# KiCad board combined.kicad_pcb (continued)
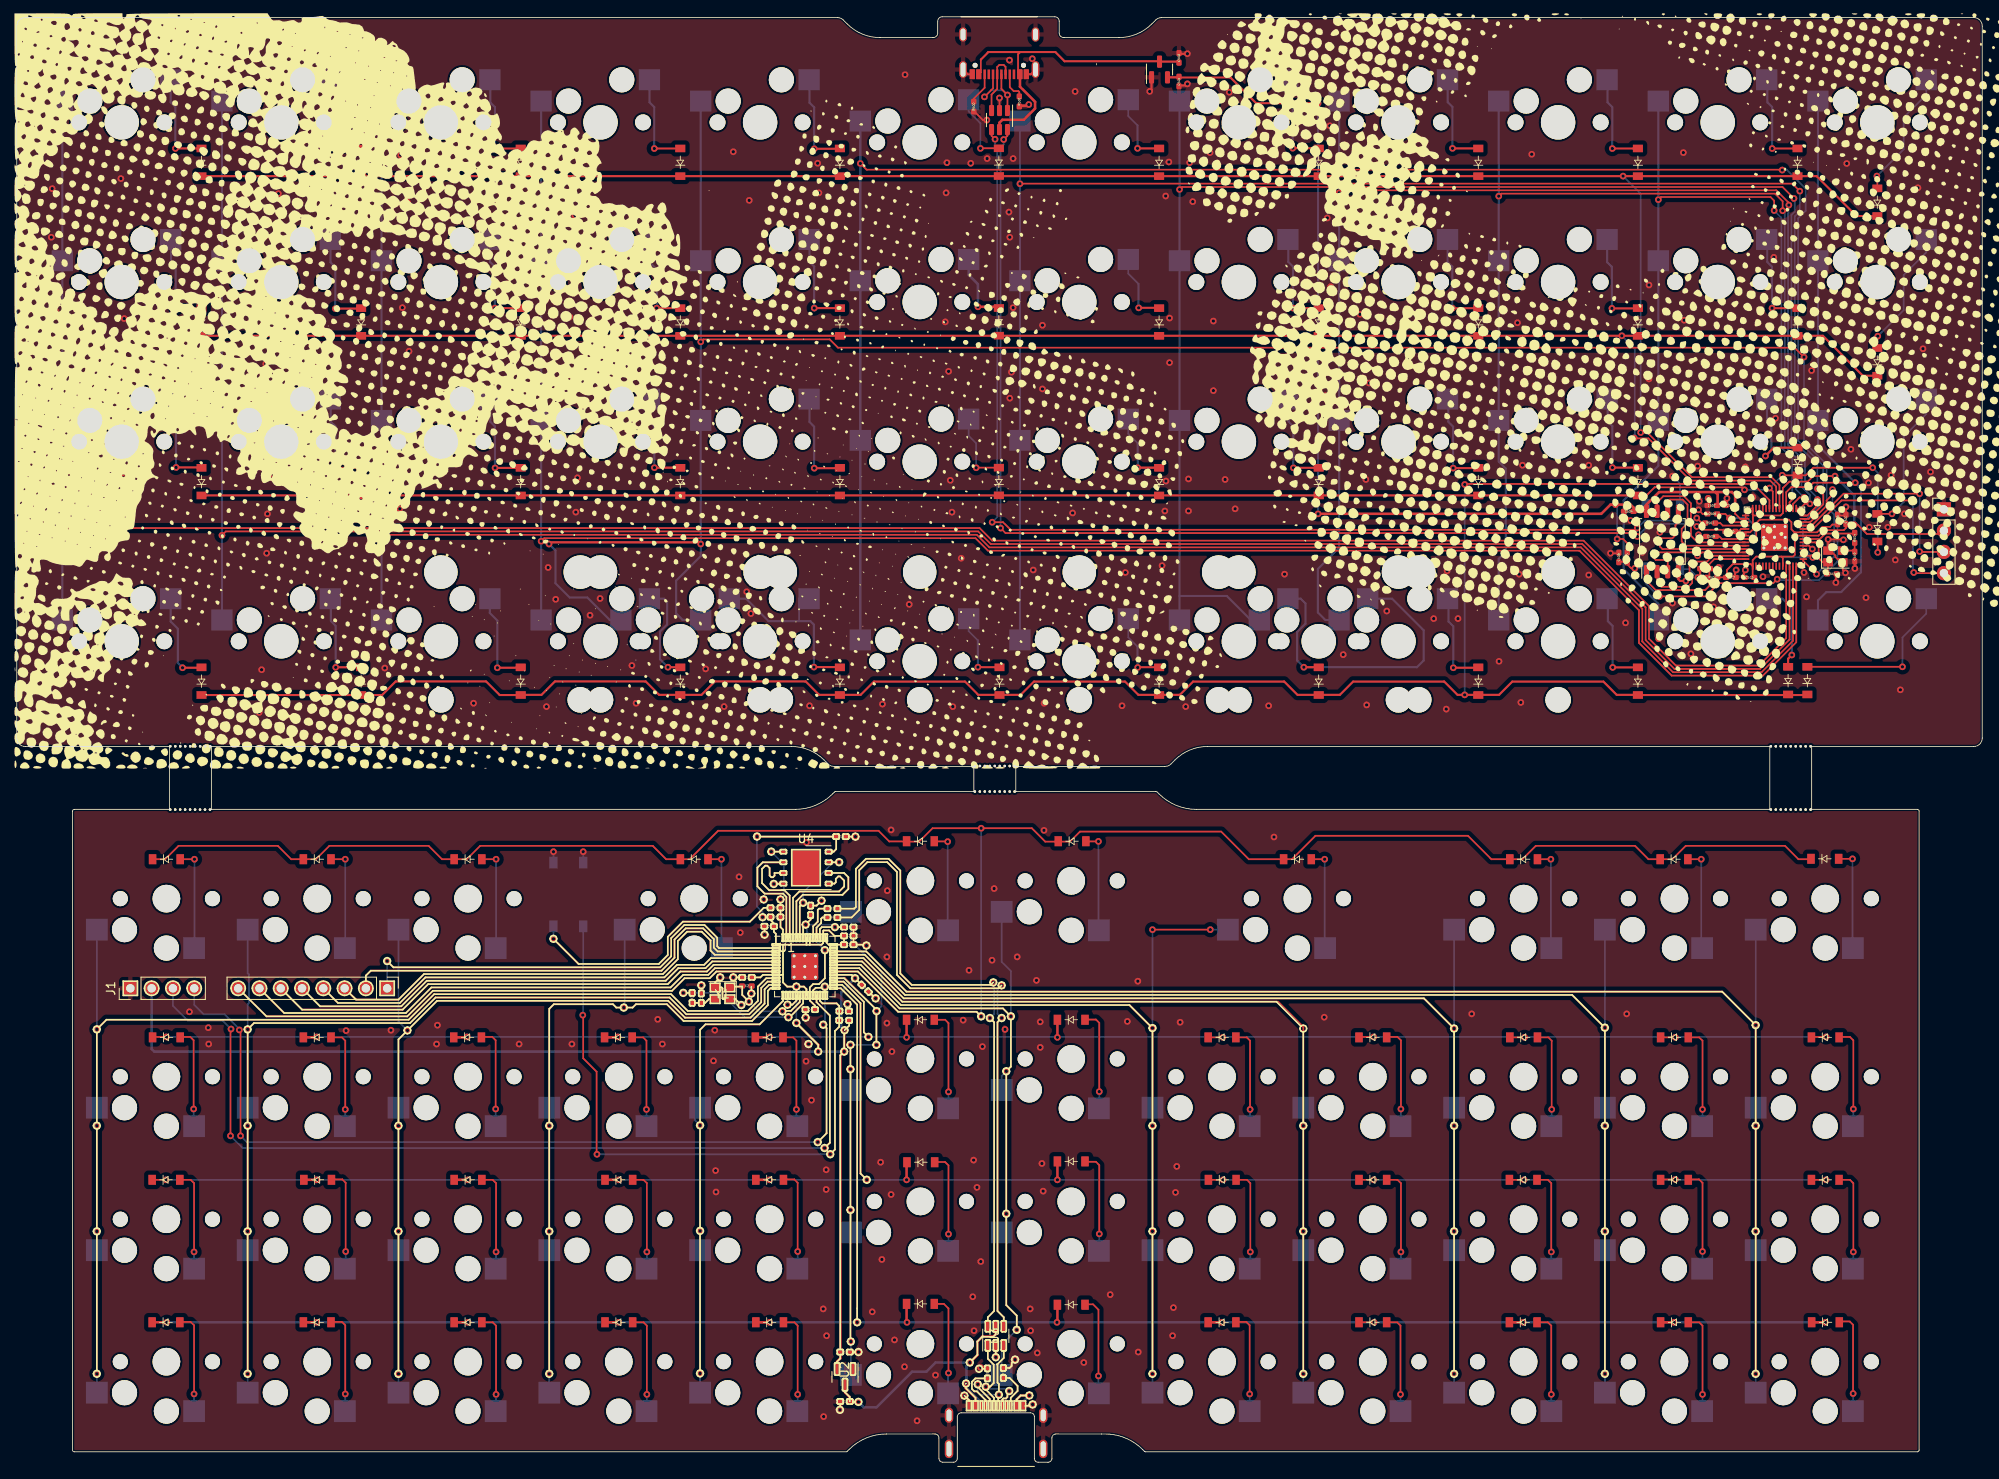
[diagram p0: board, top side]
## Routing (per net, layer and track width the routed paths; a pad name or vN(x,y) marks a point on that pad's centre or on a via; arc(x,y) is an arc through that point) (continued)
Net-(C1-Pad2): length 17.7
  Top w0.2: U1.20 93.46,54.91 92.4,53.85 91.45,53.85 v1(91.4,53.8) ; U503.20 214.67,109.76 215.08,109.35 215.08,107.87 215.57,107.38 Y500.1 216.17,107.35 216.17,106 ; Y1.1 85.21,56.75 86.59,56.75 86.59,55.76 87.39,54.96 v1(87.39,54.96)
  Bottom w0.2: v1(87.39,54.96) 88.56,53.8 v1(91.4,53.8)
Net-(C2-Pad2): length 5.4
  Top w0.2: Y500.3 219.37,108.78 219.38,108.78 219.38,109.79 ; Y1.3 82.61,55.25 82.16,54.8 C2.2 R2.1
Net-(C3-Pad1): length 122.6
  Top w0.2: 191.26,107.45 192.23,107.45 192.23,107.14 192.71,106.66 v1(193.13,106.66) ; v1(67.56,53.35) 67.61,53.3 67.61,48.2 69.21,46.6 69.21,36.79 v1(69.25,36.75) ; v1(97.1,36.75) 97.66,37.31 97.66,51.45 98.16,51.95 98.16,54.44 97.86,54.75 96.18,54.75 95.86,55.06 U1.26 ; U503.26 214.06,112.16 216.03,114.13 216.03,114.76 216.72,115.46 v1(216.72,116.06) ; v1(210.13,105.36) 209.65,104.88 203.15,104.88 201.58,103.31 v1(196.07,103.31)
  Bottom w0.2: v1(196.07,103.31) 195.98,103.31 194.43,104.86 SW551.2 v1(193.13,106.66) ; v1(216.72,116.06) 216.72,113.86 217.33,113.26 217.33,107.47 215.11,105.25 210.24,105.25 v1(210.13,105.36) ; SW20.2 67.61,53.4 v1(67.56,53.35) ; v1(97.1,36.75) 95.97,36.75 95.96,36.75 v1(69.25,36.75)
Net-(D1-Pad2): length 23.6
  Top w0.2: v1(219.19,8.2) 219.19,16.4 218.79,16.8 217.54,16.8
  Top w0.25: v1(18.94,156.75) D500.2
  Bottom w0.2: v1(219.19,8.2) 219.19,6.15
  Bottom w0.25: SW500.2 18.37,162.27 18.93,161.7 18.93,156.76 v1(18.94,156.75)
Net-(D2-Pad2): length 23.6
  Top w0.2: 217.56,33.7 218.81,33.7 219.21,33.3 v1(219.21,25.1)
  Top w0.25: v1(18.99,137.69) 22.1,137.69
  Bottom w0.2: v1(219.21,25.1) 219.21,23.05
  Bottom w0.25: 18.42,145.88 18.42,143.2 18.98,142.64 18.98,137.7 v1(18.99,137.69)
Net-(D3-Pad2): length 23.6
  Top w0.2: 217.56,50.75 218.81,50.75 219.21,50.35 v1(219.21,42.15)
  Top w0.25: v1(19.02,118.7) 22.13,118.7
  Bottom w0.2: v1(219.21,42.15) 219.21,40.1
  Bottom w0.25: v1(19.02,118.7) 19.01,118.71 19.01,123.65 18.45,124.21 18.45,126.89
Net-(D4-Pad2): length 23.3
  Top w0.2: v1(219.11,72) D4.2
  Top w0.25: v1(19.79,94.8) 22.05,94.8
  Bottom w0.2: 219.11,61.4 v1(219.11,72)
  Bottom w0.25: v1(19.79,94.8) 19.23,95.36 19.23,99.45 18.37,100.31 18.37,102.99
Net-(D5-Pad2): length 23.6
  Top w0.2: 199.56,16.7 200.81,16.7 201.21,16.3 v1(201.21,8.1)
  Top w0.25: v1(38.05,156.77) 41.16,156.77
  Bottom w0.2: v1(201.21,8.1) 201.21,6.05
  Bottom w0.25: v1(38.05,156.77) 38.04,156.78 38.04,161.72 37.48,162.28 37.48,164.96
Net-(D6-Pad2): length 23.6
  Top w0.2: 199.56,33.75 200.81,33.75 201.21,33.35 v1(201.21,25.15)
  Top w0.25: v1(38.03,137.65) 41.14,137.65
  Bottom w0.2: v1(201.21,25.15) 201.21,23.1
  Bottom w0.25: 37.46,145.84 37.46,143.16 38.02,142.6 38.02,137.66 v1(38.03,137.65)
Net-(D7-Pad2): length 23.6
  Top w0.2: 199.56,50.7 200.81,50.7 201.21,50.3 v1(201.21,42.1)
  Top w0.25: v1(38.05,118.64) 41.16,118.64
  Bottom w0.2: v1(201.21,42.1) 201.21,40.05
  Bottom w0.25: 37.48,126.83 37.48,124.15 38.04,123.59 38.04,118.65 v1(38.05,118.64)
Net-(D8-Pad2): length 23.8
  Top w0.2: v1(201.06,71.95) 199.41,71.95
  Top w0.25: v1(38.07,94.85) 41.18,94.85
  Bottom w0.2: 201.06,61.35 v1(201.06,71.95)
  Bottom w0.25: v1(38.07,94.85) 38.06,94.86 38.06,99.8 37.5,100.36 37.5,103.04
Net-(D9-Pad2): length 23.6
  Top w0.2: v1(183.11,71.95) 181.46,71.95
  Top w0.25: v1(57.36,94.8) 60.15,94.8
  Bottom w0.2: 183.11,61.35 v1(183.11,71.95)
  Bottom w0.25: v1(57.36,94.8) 57.36,100.42 56.47,101.32 56.47,102.99
Net-(D10-Pad2): length 23.6
  Top w0.2: 181.51,16.7 182.76,16.7 183.16,16.3 v1(183.16,8.1)
  Top w0.25: v1(57.09,156.75) 60.2,156.75
  Bottom w0.2: v1(183.16,8.1) 183.16,6.05
  Bottom w0.25: v1(57.09,156.75) 57.08,156.76 57.08,161.7 56.52,162.26 56.52,164.94
Net-(D11-Pad2): length 23.6
  Top w0.2: 181.51,33.7 182.76,33.7 183.16,33.3 v1(183.16,25.1)
  Top w0.25: v1(57.06,137.71) 60.17,137.71
  Bottom w0.2: v1(183.16,25.1) 183.16,23.05
  Bottom w0.25: v1(57.06,137.71) 57.05,137.72 57.05,142.66 56.49,143.22 56.49,145.9
Net-(D12-Pad2): length 23.6
  Top w0.2: 181.56,50.7 182.81,50.7 183.21,50.3 v1(183.21,42.1)
  Top w0.25: v1(57.09,118.64) 60.2,118.64
  Bottom w0.2: v1(183.21,42.1) 183.21,40.05
  Bottom w0.25: v1(57.09,118.64) 57.08,118.65 57.08,123.59 56.52,124.15 56.52,126.83
Net-(D13-Pad2): length 23.6
  Top w0.2: v1(165.16,8.1) 165.16,16.3 164.76,16.7 D13.2
  Top w0.25: v1(76.1,156.75) 79.21,156.75
  Bottom w0.2: v1(165.16,8.1) 165.16,6.05
  Bottom w0.25: 75.53,164.94 75.53,162.26 76.09,161.7 76.09,156.76 v1(76.1,156.75)
Net-(D14-Pad2): length 23.5
  Top w0.2: 163.56,33.7 164.81,33.7 165.21,33.3 v1(165.21,25.1)
  Top w0.25: v1(76.38,137.71) 79.18,137.71
  Bottom w0.2: v1(165.21,25.1) 165.21,23.05
  Bottom w0.25: v1(76.38,137.71) 76.43,137.75 76.43,142.29 75.5,143.22 75.5,145.9
Net-(D15-Pad2): length 23.6
  Top w0.2: v1(165.21,42.15) 165.21,50.35 164.81,50.75 163.56,50.75
  Top w0.25: v1(76.11,118.67) 79.22,118.67
  Bottom w0.2: v1(165.21,42.15) 165.21,40.1
  Bottom w0.25: v1(76.11,118.67) 76.1,118.68 76.1,123.62 75.54,124.18 75.54,126.86
Net-(D16-Pad2): length 23.6
  Top w0.2: v1(147.16,8.15) 147.16,16.35 146.76,16.75 145.51,16.75
  Top w0.25: v1(95.19,156.72) 98.3,156.72
  Bottom w0.2: v1(147.16,8.15) SW16.2
  Bottom w0.25: v1(95.19,156.72) 95.18,156.73 95.18,161.67 94.62,162.23 94.62,164.91
Net-(D17-Pad2): length 23.6
  Top w0.2: 145.59,33.7 146.84,33.7 147.24,33.3 v1(147.24,25.1)
  Top w0.25: v1(95.19,137.71) 98.3,137.71
  Bottom w0.2: v1(147.24,25.1) 147.24,23.05
  Bottom w0.25: v1(95.19,137.71) 95.18,137.72 95.18,142.66 94.62,143.22 94.62,145.9
Net-(D18-Pad2): length 23.6
  Top w0.2: v1(147.21,42.1) 147.21,50.3 146.81,50.7 145.56,50.7
  Top w0.25: v1(95.19,118.61) 98.3,118.61
  Bottom w0.2: v1(147.21,42.1) 147.21,40.05
  Bottom w0.25: v1(95.19,118.61) 95.18,118.62 95.18,123.56 94.62,124.12 94.62,126.8
Net-(D19-Pad2): length 34.5
  Top w0.2: v1(156.11,71.95) 154.46,71.95
  Top w0.25: v1(95.15,94.88) 98.26,94.88
  Bottom w0.2: 156.11,61.35 v1(156.11,71.95) ; 93.37,103.05 93.37,100.41 93.43,100.36
  Bottom w0.25: v1(95.15,94.88) 95.14,94.89 95.14,99.95 94.73,100.36 89.73,100.36 87.05,103.03 SW540.2
Net-(D20-Pad2): length 20.4
  Top w0.2: v1(129.11,10.3) 129.11,18.2 128.46,18.85 127.51,18.85 ; 117.22,156.78 115.04,156.78 v1(115.02,156.76)
  Bottom w0.2: 129.11,8.22 v1(129.11,10.3) ; 113.62,162.57 113.62,161.17 115.02,159.76 v1(115.02,156.76)
Net-(D21-Pad2): length 20.7
  Top w0.2: v1(129.21,27.25) 129.21,35.45 128.81,35.85 127.56,35.85
  Top w0.3: v1(114.73,137.86) 117.09,137.86 D517.2
  Bottom w0.2: v1(129.21,27.25) 129.21,25.2
  Bottom w0.3: SW522.2 113.62,141.67 114.73,140.56 v1(114.73,137.86)
Net-(D22-Pad2): length 21
  Top w0.2: 127.56,52.82 128.81,52.82 129.21,52.42 v1(129.21,44.22) ; v1(114.52,118.66) 114.53,118.67 D530.2
  Bottom w0.2: v1(129.21,44.22) 129.21,42.17 ; v1(114.52,118.66) 114.52,121.57 113.62,122.47 SW534.2
Net-(D23-Pad2): length 21.1
  Top w0.2: v1(129.11,74.07) 127.46,74.07
  Top w0.25: v1(114.72,94.87) 117.29,94.87
  Bottom w0.2: 114.72,98.06 113.62,99.16 SW548.2 ; 129.11,63.47 v1(129.11,74.07)
  Bottom w0.25: v1(114.72,94.87) 114.72,98.06
Net-(D24-Pad2): length 20.5
  Top w0.2: D24.2 110.66,18.9 111.21,18.35 v1(111.21,10.65)
  Top w0.25: v1(133.78,156.77) 136.42,156.77
  Bottom w0.2: 133.78,159.51 132.67,160.62 SW511.2 ; 111.16,8.65 111.16,10.6 v1(111.21,10.65)
  Bottom w0.25: 133.78,159.51 133.78,156.77 v1(133.78,156.77)
Net-(D25-Pad2): length 20.8
  Top w0.2: v1(111.21,27.22) 111.21,35.42 110.81,35.82 109.56,35.82
  Top w0.25: v1(133.91,137.74) 136.36,137.74
  Bottom w0.2: 133.89,140.6 132.67,141.82 SW523.2 ; v1(111.21,27.22) 111.21,25.17
  Bottom w0.25: 133.89,140.6 133.89,137.76 v1(133.91,137.74)
Net-(D26-Pad2): length 21
  Top w0.2: 109.56,52.8 110.81,52.8 111.21,52.4 v1(111.21,44.2)
  Top w0.25: v1(133.79,118.67) 136.43,118.67
  Bottom w0.2: v1(111.21,44.2) 111.21,42.15 ; SW535.2 132.67,122.72 133.8,121.59
  Bottom w0.25: 133.8,121.59 133.8,118.67 v1(133.79,118.67)
Net-(D27-Pad2): length 21.1
  Top w0.2: v1(111.11,74.05) 111.09,74.07 109.51,74.07
  Top w0.25: v1(133.8,94.83) 133.83,94.87 136.45,94.87
  Bottom w0.2: v1(111.11,74.05) 111.11,63.47 ; SW549.2 132.67,98.42 133.78,97.31
  Bottom w0.25: v1(133.8,94.83) 133.78,94.85 133.78,97.31
Net-(D28-Pad2): length 23.6
  Top w0.2: v1(93.21,8.1) 93.21,16.3 92.81,16.7 91.56,16.7
  Top w0.25: v1(152.3,156.79) 155.41,156.79
  Bottom w0.2: v1(93.21,8.1) 93.21,6.05
  Bottom w0.25: 151.73,164.98 151.73,162.3 152.29,161.74 152.29,156.8 v1(152.3,156.79)
Net-(D29-Pad2): length 23.6
  Top w0.2: 91.56,33.75 92.81,33.75 93.21,33.35 v1(93.21,25.15)
  Top w0.25: v1(152.34,137.71) 155.45,137.71
  Bottom w0.2: v1(93.21,25.15) 93.21,23.1
  Bottom w0.25: 151.77,145.9 151.77,143.22 152.33,142.66 152.33,137.72 v1(152.34,137.71)
Net-(D30-Pad2): length 23.6
  Top w0.2: v1(93.06,42.1) 93.06,50.3 92.66,50.7 91.41,50.7
  Top w0.25: v1(152.38,118.65) 155.49,118.65
  Bottom w0.2: v1(93.06,42.1) 93.06,40.05
  Bottom w0.25: 151.81,126.84 151.81,124.16 152.37,123.6 152.37,118.66 v1(152.38,118.65)
Net-(D31-Pad2): length 12.3
  Top w0.25: D539.2 79.18,94.86 v1(77.73,94.86)
  Bottom w0.25: SW539.2 77.25,103.03 77.63,102.66 77.63,99.96 76.78,99.11 76.78,95.81 v1(77.73,94.86)
Net-(D32-Pad2): length 23.6
  Top w0.2: v1(75.21,8.1) 75.21,16.3 74.81,16.7 73.56,16.7
  Top w0.25: v1(171.37,156.77) 174.48,156.77
  Bottom w0.2: v1(75.21,8.1) 75.21,6.05
  Bottom w0.25: 170.8,164.96 170.8,162.28 171.36,161.72 171.36,156.78 v1(171.37,156.77)
Net-(D33-Pad2): length 23.6
  Top w0.2: 73.56,33.7 74.81,33.7 75.21,33.3 v1(75.21,25.1)
  Top w0.25: v1(171.36,137.7) 174.47,137.7
  Bottom w0.2: v1(75.21,25.1) 75.21,23.05
  Bottom w0.25: v1(171.36,137.7) 171.35,137.71 171.35,142.65 170.79,143.21 170.79,145.89
Net-(D34-Pad2): length 23.6
  Top w0.2: v1(75.16,42.1) 75.16,50.3 74.76,50.7 73.51,50.7
  Top w0.25: v1(171.45,118.62) 174.56,118.62
  Bottom w0.2: v1(75.16,42.1) 75.16,40.05
  Bottom w0.25: v1(171.45,118.62) 171.44,118.63 171.44,123.57 170.88,124.13 170.88,126.81
Net-(D35-Pad2): length 23.6
  Top w0.2: 55.56,16.7 56.81,16.7 57.21,16.3 v1(57.21,8.1)
  Top w0.25: v1(190.45,156.75) 193.56,156.75
  Bottom w0.2: v1(57.21,8.1) 57.21,6.05
  Bottom w0.25: v1(190.45,156.75) 190.44,156.76 190.44,161.7 189.88,162.26 189.88,164.94
Net-(D36-Pad2): length 23.6
  Top w0.2: 55.56,33.7 56.81,33.7 57.21,33.3 v1(57.21,25.1)
  Top w0.25: v1(190.4,137.68) 193.51,137.68
  Bottom w0.2: v1(57.21,25.1) 57.21,23.05
  Bottom w0.25: v1(190.4,137.68) 190.39,137.69 190.39,142.63 189.83,143.19 189.83,145.87
Net-(D37-Pad2): length 23.6
  Top w0.2: v1(57.16,42.15) 57.16,50.35 56.76,50.75 55.51,50.75
  Top w0.25: v1(190.46,118.68) 193.57,118.68
  Bottom w0.2: v1(57.16,42.15) SW46.2
  Bottom w0.25: v1(190.46,118.68) 190.45,118.69 190.45,123.63 189.89,124.19 189.89,126.87
Net-(D38-Pad2): length 23.8
  Top w0.2: v1(57.21,71.95) 55.56,71.95
  Top w0.25: v1(190.49,94.84) 193.6,94.84
  Bottom w0.2: 57.21,61.35 v1(57.21,71.95)
  Bottom w0.25: 189.92,103.03 189.92,100.35 190.48,99.79 190.48,94.85 v1(190.49,94.84)
Net-(D39-Pad2): length 23.6
  Top w0.2: v1(39.21,8.15) 39.21,16.35 38.81,16.75 37.56,16.75
  Top w0.25: v1(209.53,156.75) 212.64,156.75
  Bottom w0.2: v1(39.21,8.15) 39.21,6.1
  Bottom w0.25: 208.96,164.94 208.96,162.26 209.52,161.7 209.52,156.76 v1(209.53,156.75)
Net-(D40-Pad2): length 23.6
  Top w0.2: 37.61,33.75 38.86,33.75 39.26,33.35 v1(39.26,25.15)
  Top w0.25: v1(209.51,137.7) 212.62,137.7
  Bottom w0.2: v1(39.26,25.15) 39.26,23.1
  Bottom w0.25: v1(209.51,137.7) 209.5,137.71 209.5,142.65 208.94,143.21 208.94,145.89
Net-(D41-Pad2): length 23.6
  Top w0.2: v1(39.21,42.1) 39.21,50.3 38.81,50.7 37.56,50.7
  Top w0.25: v1(208.73,120.06) 209.72,121.05 D524.2
  Bottom w0.2: v1(39.21,42.1) 39.21,40.05
  Bottom w0.25: v1(208.73,120.06) 209.43,120.76 209.43,123.59 208.91,124.12 208.91,126.8
Net-(D42-Pad2): length 22.8
  Top w0.2: v1(39.21,71.95) 37.56,71.95
  Top w0.25: v1(211.87,96.31) 211.43,95.87 D546.2
  Bottom w0.2: 39.21,61.35 v1(39.21,71.95)
  Bottom w0.25: 209.01,103.03 210.76,103.03 211.87,101.91 v1(211.87,96.31)
Net-(D43-Pad2): length 27.5
  Top w0.2: v1(21.16,8.15) 21.16,16.35 20.76,16.75 19.51,16.75 ; D511.2 222.08,153.41 v1(222.03,153.46)
  Bottom w0.2: v1(21.16,8.15) SW52.2 ; v1(222.03,153.46) 225.23,156.66 225.23,160.46 227.92,163.15 SW509.2
Net-(D44-Pad2): length 27.4
  Top w0.2: 19.51,33.7 20.76,33.7 21.16,33.3 v1(21.16,25.1) ; v1(222.13,134.36) 222.08,134.31 D523.2
  Bottom w0.2: v1(222.13,134.36) 225.23,137.46 225.23,141.66 227.92,144.35 SW521.2 ; v1(21.16,25.1) 21.16,23.05
Net-(D45-Pad2): length 29.2
  Top w0.2: D535.2 v1(223.83,113.16) ; 19.46,50.75 20.71,50.75 21.11,50.35 v1(21.11,42.15)
  Bottom w0.2: v1(21.11,42.15) 21.11,40.1 ; v1(223.83,113.16) 225.23,114.56 225.23,122.37 227.92,125.07 SW533.2
Net-(D46-Pad2): length 32.9
  Top w0.2: v1(225.08,94.91) D547.2 ; v1(21.21,71.95) 19.56,71.95
  Bottom w0.2: v1(225.08,94.91) 225.08,98.41 227.92,101.25 SW547.2 ; 21.21,61.35 v1(21.21,71.95)
Net-(D47-Pad2): length 39
  Top w0.25: v1(153.63,94.86) 155.38,94.86 D543.2
  Bottom w0.25: SW543.2 164.15,103.03 167.93,99.26 167.93,95.66 167.13,94.86 v1(153.63,94.86) 152.83,95.66 152.83,99.06 153.83,100.06 153.83,102.46 153.25,103.03 SW542.2
Net-(D48-Pad2): length 23.8
  Top w0.2: v1(84.11,71.95) 82.46,71.95
  Top w0.25: v1(171.47,94.8) 174.58,94.8
  Bottom w0.2: 84.11,61.35 v1(84.11,71.95)
  Bottom w0.25: v1(171.47,94.8) 171.46,94.81 171.46,99.75 170.9,100.31 170.9,102.99
Net-(J1-Pad3): length 138.9
  Top w0.2: v1(25.57,51.69) 25.51,51.62 v1(25.51,38.95) ; v1(227.13,115.56) 218.05,115.56 214.25,111.76 U503.25 ; J501.3 227.17,108.62 v1(227.13,108.66) ; U1.25 95.46,54.9 97.06,53.3 97.06,38.12 v1(96.43,37.49)
  Bottom w0.2: v1(96.43,37.49) 26.97,37.49 v1(25.51,38.95) ; J1.3 18.64,54.47 20.41,52.7 24.57,52.7 v1(25.57,51.69) ; v1(227.13,115.56) v1(227.13,108.66)
Net-(J1-Pad4): length 138.8
  Top w0.2: v1(26.57,51.58) 26.71,51.44 v1(26.71,38.95) ; J501.4 226.51,106.08 v1(226.43,106.16) ; 96.55,56.73 96.41,56.6 95.36,56.6 95.06,56.3 U1.24 ; v1(95.61,38.2) 96.66,39.25 96.66,51.8 v1(96.26,52.2) ; v1(226.33,114.76) 217.81,114.76 214.41,111.36 U503.24
  Bottom w0.2: v1(226.43,106.16) 226.33,106.26 v1(226.33,114.76) ; v1(26.57,51.58) 26.57,51.68 24.81,53.45 22.31,53.45 21.18,54.58 J1.4 ; v1(26.71,38.95) 27.46,38.2 v1(95.61,38.2) ; v1(96.46,56.73) 96.46,52.4 v1(96.26,52.2)
Net-(J3-PadA5): length 9.3
  Top w0.2: J3.A5 115.64,7.41 114.6,8.46 114.3,8.46 114.01,8.75 114.01,9.59 114.42,10 R6.1 ; 119.67,162.87 119.67,163.49 119.55,163.6 118.99,163.6 118.53,164.06 J500.A5
Net-(J3-PadA6): length 24.9
  Top w0.2: J500.A6 117.53,163.86 v1(118.25,163.13) U501.1 ; v1(118.46,8.49) 118.24,8.28 118.24,7.78 118.07,7.61 117.77,7.61 117.64,7.48 J3.B6 ; J3.A6 116.64,7.68 115.67,8.66 v1(115.67,9) 116.17,9 116.61,9.45 116.61,11.65 115.91,12.35 U3.1 ; J500.B6 116.53,163.93 v1(115.51,162.91)
  Bottom w0.2: v1(115.51,162.91) 116.29,163.69 117.7,163.69 v1(118.25,163.13) ; v1(118.46,8.49) 118.2,8.76 115.91,8.76 v1(115.67,9)
Net-(J3-PadA7): length 22
  Top w0.2: J500.B7 118.03,166.49 117.8,166.72 117.28,166.72 117.03,166.47 J500.A7 117.03,163.86 116.35,163.18 U501.3 ; 117.01,11.65 117.81,12.45 U3.3 ; J3.B7 116.14,7.54 114.71,8.97 v1(114.71,9.3) ; J3.A7 117.14,7.97 v1(117.23,8.06) 117.23,9.32 117.06,9.5 117.06,11.65 117.01,11.7
  Bottom w0.2: v1(117.23,8.06) 115,8.06 114.71,8.35 v1(114.71,9.3)
Net-(J3-PadB5): length 8.7
  Top w0.2: R7.1 118.51,10.05 119.46,9.1 119.46,8.51 118.64,7.69 J3.B5 ; 114.23,162.25 114.23,162.69 115.53,163.99 J500.B5
Net-(R2-Pad2): length 24.6
  Top w0.2: U1.21 93.86,54.74 92.21,53.1 v1(92.11,53.1) ; 219.38,110.81 215.88,110.81 215.23,110.16 U503.21 ; v1(79.56,56) 79.56,55.99 R2.2
  Bottom w0.2: v1(92.11,53.1) 86.91,53.1 84.01,56 v1(79.56,56)
Net-(R3-Pad1): length 6.2
  Top w0.2: R3.1 95.76,66.05 95.61,65.9 95.61,64.5 95.06,63.95 U1.47 ; U503.47 205.83,111.36 205.53,111.06 205.05,111.06
Net-(R4-Pad1): length 7.2
  Top w0.2: U1.46 95.46,63.78 96.02,64.34 96.02,64.85 96.16,65 R4.1 ; 202.64,112.06 203.33,112.06 203.63,111.76 U503.46
Net-(R5-Pad2): length 36.4
  Top w0.2: R5.2 89.16,66.15 87.51,64.5 79.51,64.5 77.71,62.69 77.71,60.53 76.63,59.45 67.06,59.45 v1(64.06,62.45)
  Top w0.25: R506.2 200.93,105.82 v1(200.66,105.55)
  Bottom w0.2: v1(64.06,62.45) SW21.2 ; v1(200.66,105.55) 199.65,106.56 SW550.2

## Copper pours and planes (outline as drawn; the poured copper is in the pictures)
GND on Top, Bottom: 269.44,-12.75 -8.13,-7.94 -7.39,177.47 270.55,185.24

## Text on the board
B.Silkscreen: SWD | GPIO 0-7 | Reset | Boot
